# Altium PCB BMS.Pcb.PcbDoc (part 1 of 3)
Units mm, origin at the board's own origin, x right, y up, seen from the top; angles counter-clockwise.
Board outline 101.6 x 152.65 mm, 2 copper layers (Top Layer, Bottom Layer); 294 components, 149 nets, 690 pads, 917 vias.
Unrouted connection lines stored in the file: 52.
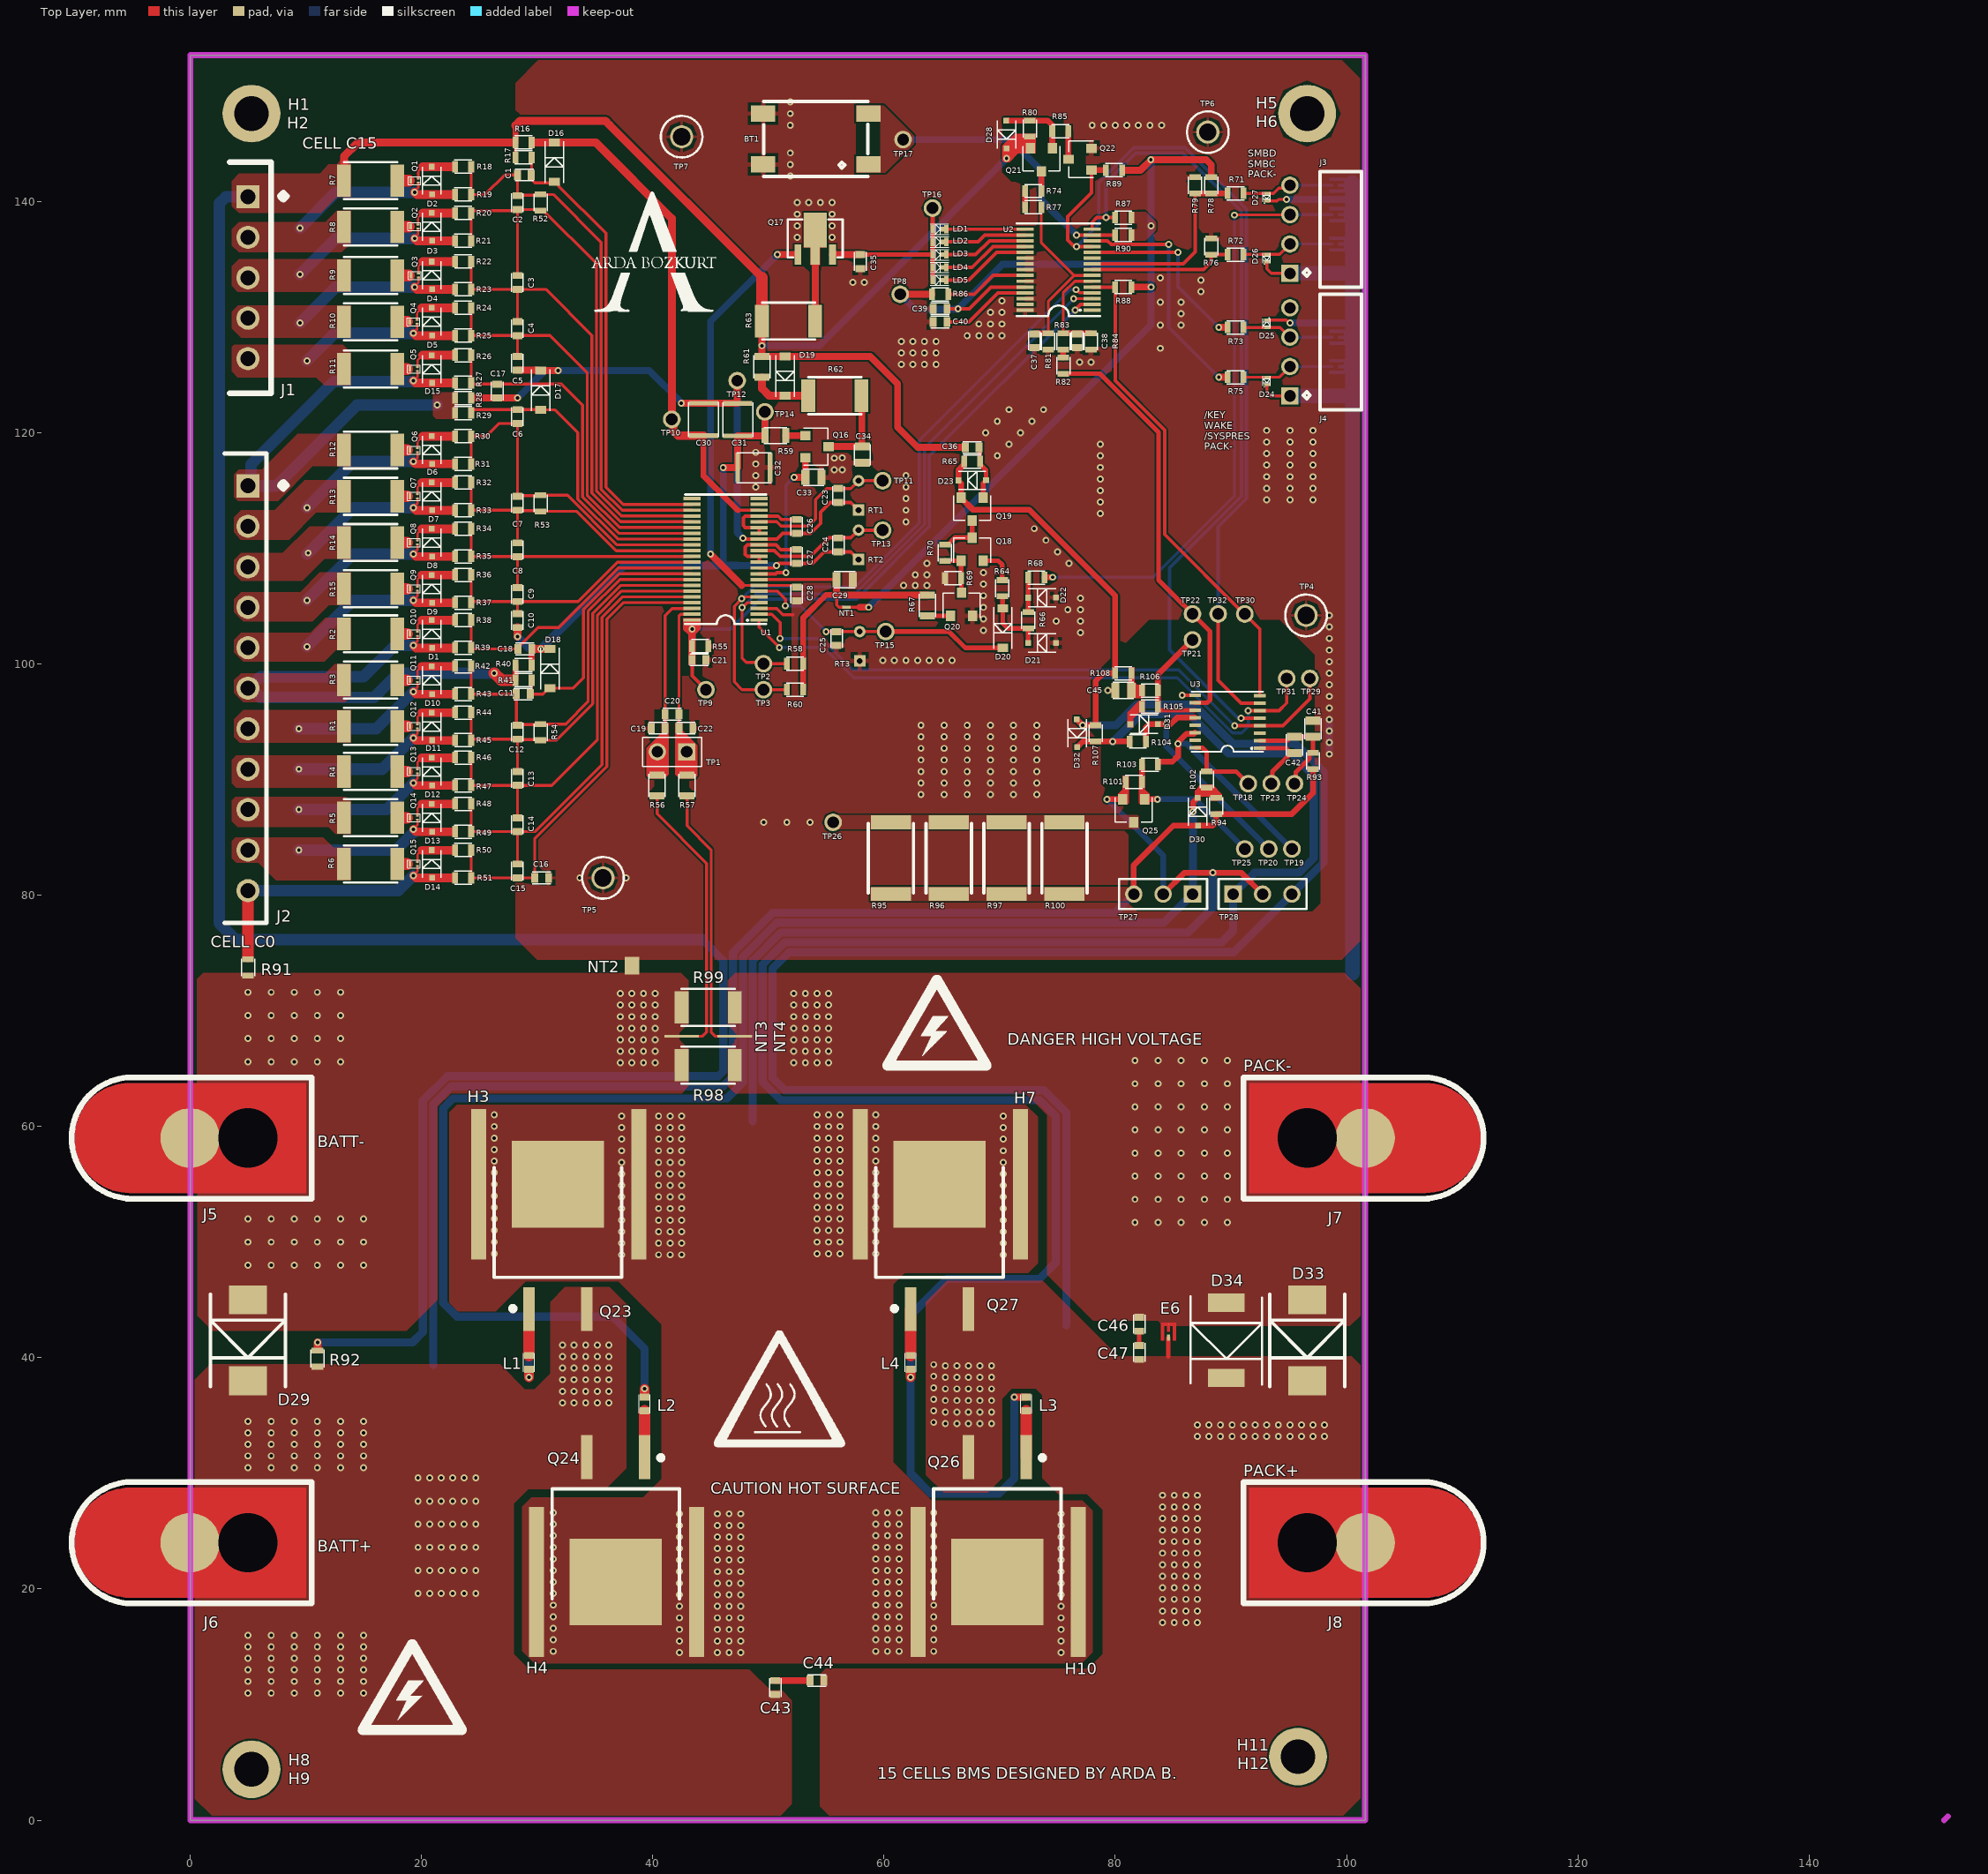
[diagram p0: Top Layer view]
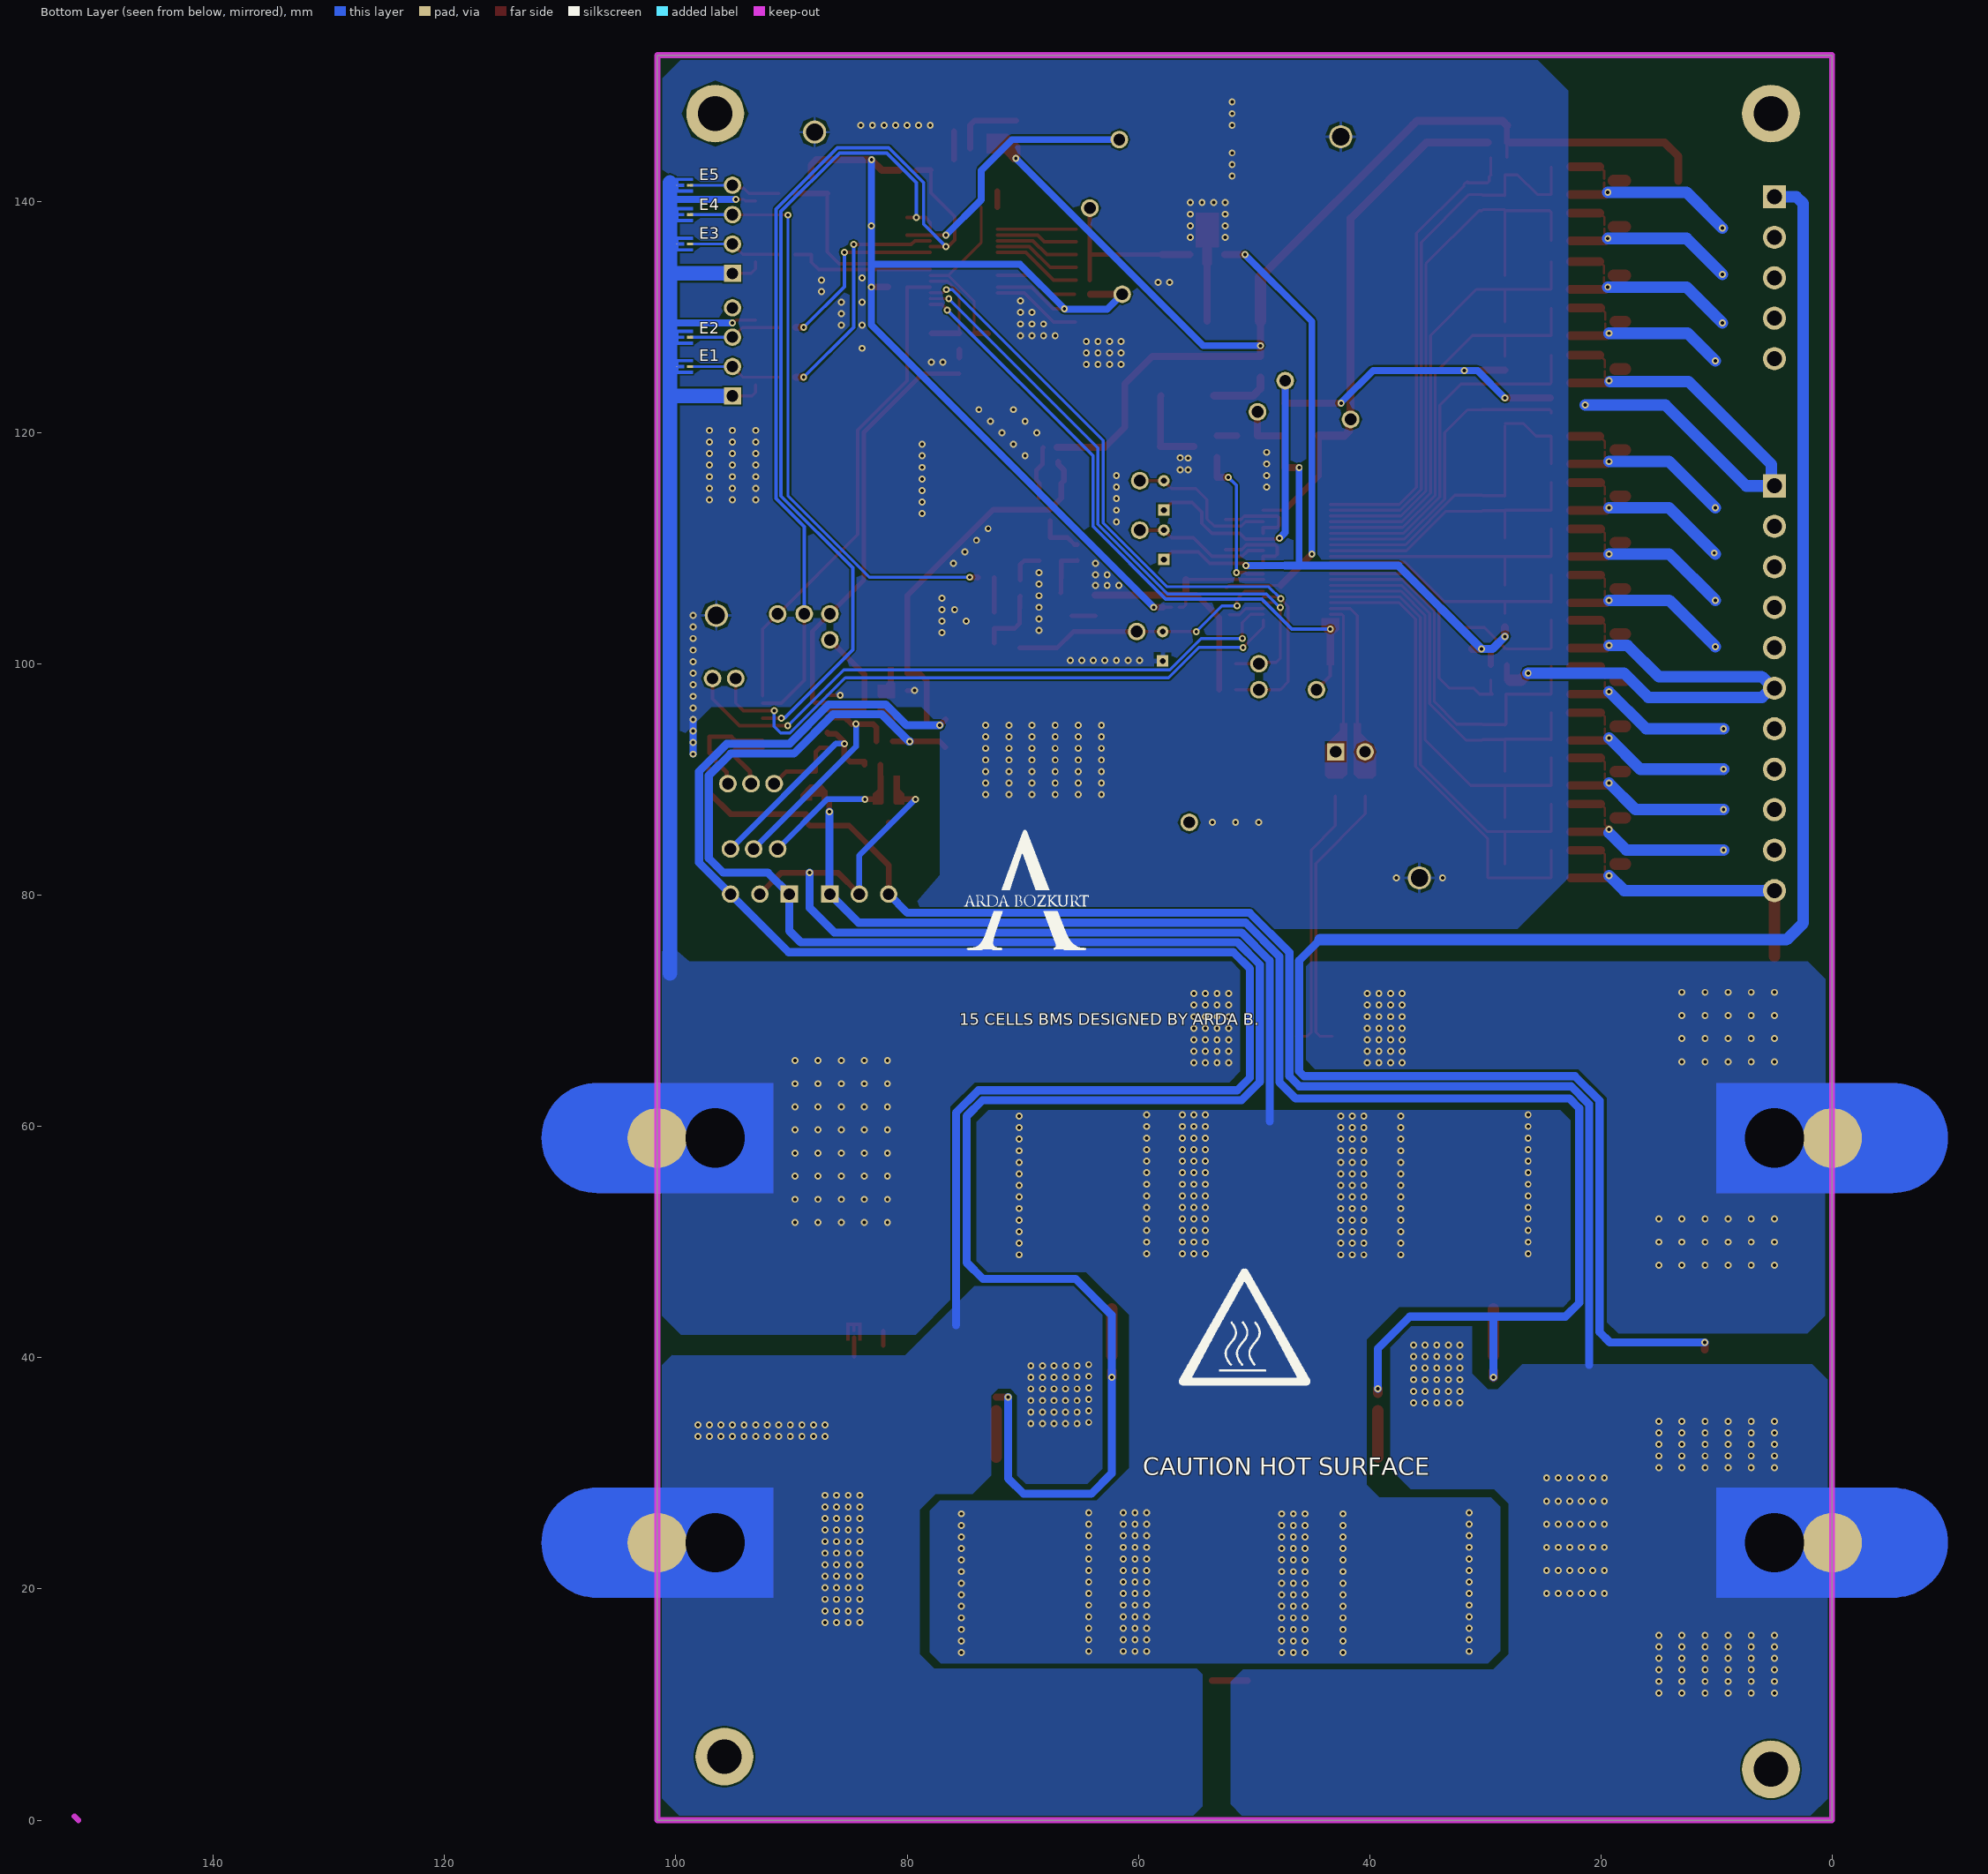
[diagram p1: Bottom Layer view, seen from below]
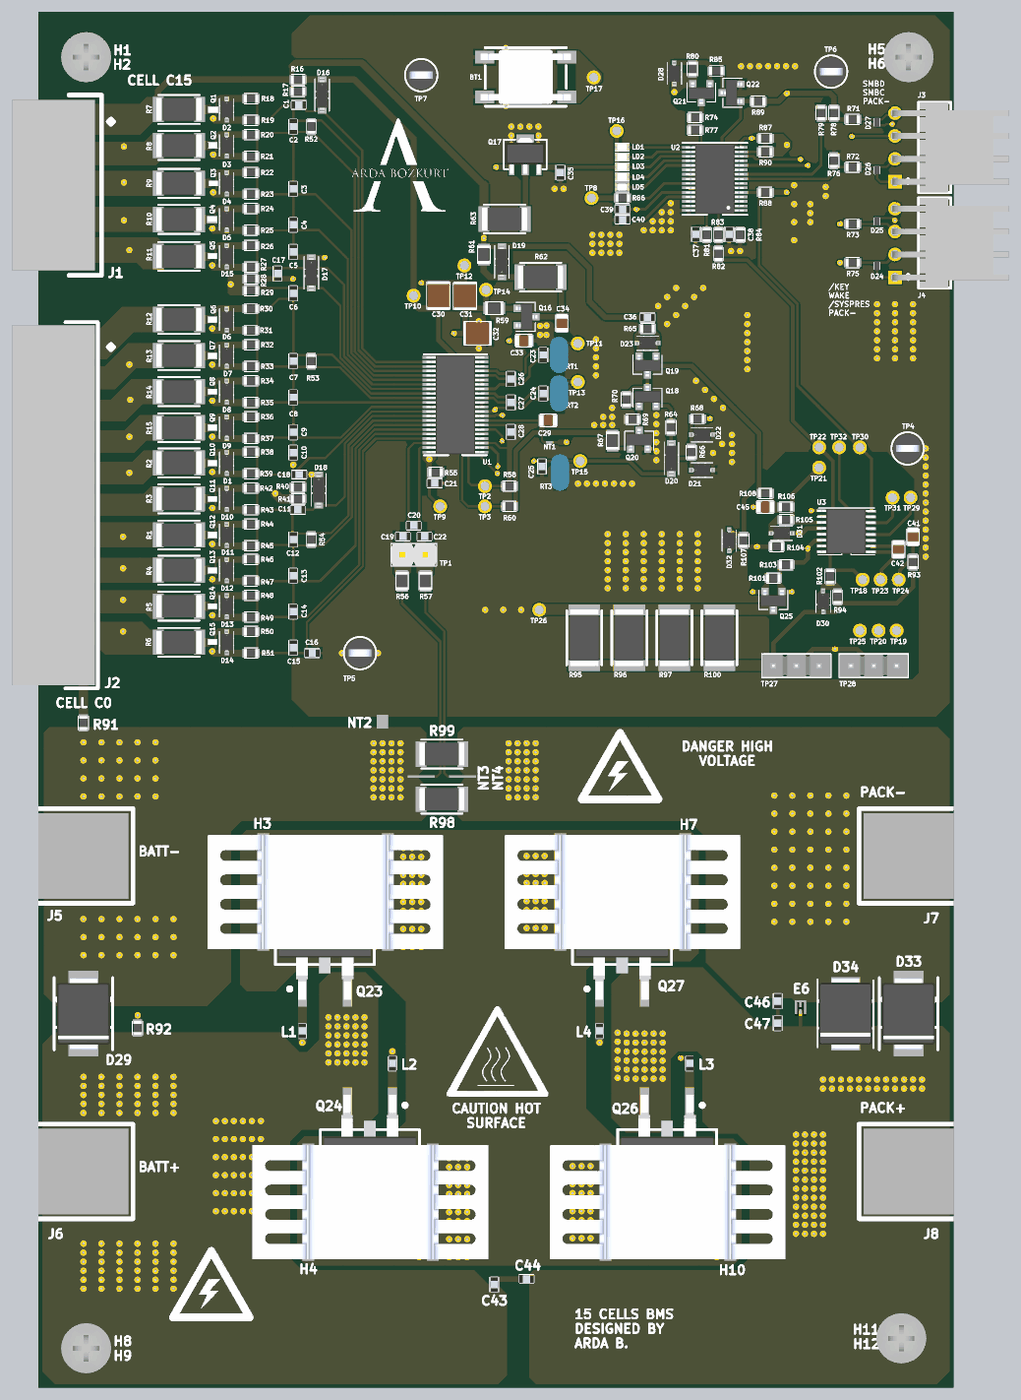
[diagram p4: 3D render of the assembled board from above, using the file's embedded part models]

## Layer stack, top to bottom
Top Solder: solder mask 0.0102, Solder Resist, Dk 3.5
Top Layer: signal copper 0.0356
Dielectric 1: dielectric 0.32, FR-4, Dk 4.8
Bottom Layer: signal copper 0.0356
Bottom Solder: solder mask 0.0102, Solder Resist, Dk 3.5

## Board outline
0,0 101.6,0 101.6,152.654 0,152.654

## Design rules (kind name [scope] priority, off if disabled: settings)
Clearance "Conn Lug" [HasFootprint('CONN_LUG')] p1: gap=0 ignorepadtopadclearanceinfootprint=FALSE
Clearance [All] p2: gap=0.15 ignorepadtopadclearanceinfootprint=FALSE except(0: Arc-Hole Track-Hole SMDPad-Hole THPad-Hole Via-Hole Fill-Hole Poly-Hole Region-Hole Text-Hole)
Clearance Poly [InPolygon] p3: gap=0.5 ignorepadtopadclearanceinfootprint=FALSE except(0: Arc-Hole Track-Hole SMDPad-Hole THPad-Hole Via-Hole Fill-Hole Poly-Hole Region-Hole Text-Hole)
Clearance KeepOuts [((IsTrack or IsArc) and not InPolygon) and IsFree and IsKeepOut vs ((IsTrack or IsArc) and not InPolygon) and IsFree and IsKeepOut] p4: gap=0 ignorepadtopadclearanceinfootprint=FALSE
Clearance PICOSTAR [HasFootprint('Q_3PICOSTAR')] p5: gap=0.01 ignorepadtopadclearanceinfootprint=FALSE except(0: Arc-Hole Track-Hole SMDPad-Hole THPad-Hole Via-Hole Fill-Hole Poly-Hole Region-Hole Text-Hole)
ComponentClearance [All] p1: gap=0.254 collisioncheckmode=3 verticalgap=0 showdistances=FALSE
Height [All] p1: minheight=0 maxheight=50 prefheight=12.7
HoleSize 2.54> [HasFootprint ('J5,J6,J7,J8') and HasFootprint ('H2,H6,H9,H11')] p1: absolutevalues=TRUE maxlimit=50 minlimit=0.025 maxpercent=80.000 minpercent=20.000
HoleSize [All] p2: absolutevalues=TRUE maxlimit=2.54 minlimit=0.025 maxpercent=80.000 minpercent=20.000
MinimumSolderMaskSliver [All] p1: minsoldermaskwidth=0
PlaneConnect [All] p1: planeconnectstyle=Direct reliefexpansion=0.254 reliefentries=4 reliefconductorwidth=0.254 reliefairgap=0.508
PolygonConnect [All] p1: connectstyle=Direct reliefconductorwidth=0.254 reliefentries=4 polygonreliefangle="90 Angle" airgapwidth=0.254
RoutingVias [All] p1: holewidth=0.305 width=0.865 viastyle="Through Hole" minholewidth=0.2 minwidth=0.6 maxholewidth=1.016 maxwidth=1.65
RoutingVias "Thermal Pad Vias" [IsVia and InAnyComponent] p2: holewidth=0.2 width=0.5 viastyle="Through Hole" minholewidth=0.2 minwidth=0.5 maxholewidth=0.3 maxwidth=0.6
ShortCircuit [All] p1: allowed=TRUE
SilkToSolderMaskClearance [IsPad] p1: minsilkscreentomaskgap=0 clearancetoexposedcopper=TRUE
SolderMaskExpansion [All] p1: expansion=0.05 istentingtop=FALSE
Width 70V [(InNet('VDDCP') OR InNet('CHG') OR InNet('DSG') OR InNet('CD') OR InNet('PCHG') OR InNet('PDRAIN') OR InNet('CGATE') OR InNet('PGATE') OR InNet('DGATE') OR InNet('PACK') OR InNet('PACKDIV') OR InNet('PACK+'))] p1: maxlimit=1.27 minlimit=0.381 preferedwidth=0.762
Width [All] p2: maxlimit=1.27 minlimit=0.2 preferedwidth=0.254 minimp=50.000000 maximp=50.000000 favimp=50.000000
23 further rules are at their usual default settings.

## Classes and differential pairs
component class GUAGE: BT1 C37 C38 C39 C40 D24 D25 D26 D27 D28 E1 E2 E3 E4 E5 J3 J4 LD1 LD2 LD3 LD4 LD5 Q21 Q22 R71 R72 R73 R74 R75 R76 R77 R78 R79 R80 R81 R82 R83 R84 R85 R86 R87 R88 R89 R90 TP16 TP17 U2
component class FET: C41 C42 C43 C44 C45 C46 C47 D29 D30 D31 D32 D33 D34 E6 H1 H2 H3 H4 H5 H6 H7 H8 H9 H10 H11 H12 J5 J6 J7 J8 L1 L2 L3 L4 NT2 NT3 NT4 Q23 Q24 Q25 Q26 Q27 R91 R92 R93 R94 R95 R96 R97 R98 R99 R100 R101 R102 R103 R104 R105 R106 R107 R108 TP18 TP19 TP20 TP21 TP22 TP23 TP24 TP25 TP26 TP27 TP28 TP29 TP30 TP31 TP32 U3
component class AFE: C1 C2 C3 C4 C5 C6 C7 C8 C9 C10 C11 C12 C13 C14 C15 C16 C17 C18 C19 C20 C21 C22 C23 C24 C25 C26 C27 C28 C29 C30 C31 C32 C33 C34 C35 C36 D1 D2 D3 D4 D5 D6 D7 D8 D9 D10 D11 D12 D13 D14 D15 D16 D17 D18 D19 D20 D21 D22 D23 J1 J2 NT1 Q1 Q2 Q3 Q4 Q5 Q6 Q7 Q8 Q9 Q10 Q11 Q12 Q13 Q14 Q15 Q16 Q17 Q18 Q19 Q20 R1 R2 R3 R4 R5 R6 R7 R8 R9 R10 R11 R12 R13 R14 R15 R16 R17 R18 R19 R20 R21 R22 R23 R24 R25 R26 R27 R28 R29 R30 R31 R32 R33 R34 R35 R36 R37 R38 R39 R40 R41 R42 R43 R44 R45 R46 R47 R48 R49 R50 R51 R52 R53 R54 R55 R56 R57 R58 R59 R60 R61 R62 R63 R64 R65 R66 R67 R68 R69 R70 RT1 RT2 RT3 TP1 TP2 TP3 TP4 TP5 TP6 TP7 TP8 TP9 TP10 TP11 TP12 TP13 TP14 TP15 U1

## Components (designator, comment, footprint, x,y, rotation, side; value= is the part's Value field where it differs from the comment)
BT1 "1977223-6" BUTTOM 54.1,145.4 r180 top
C1 "885012206048" C_0603 28.9,142.3 r0 top value=0.22uF
C2 "885012206048" C_0603 28.3,139.9 r90 top value=0.22uF
C3 "885012206048" C_0603 28.3,133 r90 top value=0.22uF
C4 "885012206048" C_0603 28.3,129 r90 top value=0.22uF
C5 "885012206048" C_0603 28.3,126 r90 top value=0.22uF
C6 "885012206048" C_0603 28.3,121.4 r90 top value=0.22uF
C7 "885012206048" C_0603 28.3,113.9 r90 top value=0.22uF
C8 "885012206048" C_0603 28.3,109.875 r90 top value=0.22uF
C9 "885012206048" C_0603 28.3,106 r90 top value=0.22uF
C10 "885012206048" C_0603 28.3,103.75 r90 top value=0.22uF
C11 "885012206048" C_0603 28.8,97.4 r0 top value=0.22uF
C12 "885012206048" C_0603 28.3,94.1 r90 top value=0.22uF
C13 "885012206048" C_0603 28.3,90.1 r90 top value=0.22uF
C14 "885012206048" C_0603 28.3,86.1 r90 top value=0.22uF
C15 "885012206048" C_0603 28.3,82.1 r90 top value=0.22uF
C16 "885012206048" C_0603 30.4,81.5 r180 top value=0.22uF
C17 "885012206048" C_0603 26.55,123.6 r90 top value=0.22uF
C18 "885012206048" C_0603 28.95,101.3 r180 top value=0.22uF
C19 "C1608X7R1H104K080AA" C_0603 40.47,94.45 r0 top value=0.1uF
C20 "C1608X7R1H104K080AA" C_0603 41.67,95.65 r0 top value=0.1uF
C21 "885012206081" C_0603 44,100.35 r180 top value=470pF
C22 "C1608X7R1H104K080AA" C_0603 42.87,94.45 r0 top value=0.1uF
C23 "885012206087" C_0603 56.05,114.575 r270 top value=4700pF
C24 "885012206087" C_0603 56.05,110.3 r270 top value=4700pF
C25 "885012206087" C_0603 55.9,102.2 r90 top value=4700pF
C26 "885012206052" C_0603 52.45,111.9 r270 top value=1uF
C27 "885012206052" C_0603 52.45,109.3 r270 top value=1uF
C28 "885012206052" C_0603 52.45,106.046 r90 top value=1uF
C29 "885012207025" C_0805 56.6,107.3 r180 top value=4.7uF
C30 "GRM32ER7YA106KA12L" C_1210 44.4,121.15 r270 top value=10uF
C31 "GRM32ER7YA106KA12L" C_1210 47.35,121.125 r90 top value=10uF
C32 "GRM32ER7YA106KA12L" C_1210 48.75,116.975 r180 top value=10uF
C33 "GRM21BR71H105KA12L" C_0805 53.9,116.15 r180 top value=1uF
C34 "GRM21BR71H105KA12L" C_0805 58.125,118.1 r90 top value=1uF
C35 "885012206048" C_0603 57.95,134.8 r90 top value=0.22uF
C36 "885012206081" C_0603 67.625,118.725 r0 top value=470pF
C37 "GRM188R71E332KA01D" C_0603 73,127.95 r90 top value=3300pF
C38 "GRM188R71E332KA01D" C_0603 76.7,127.95 r90 top value=3300pF
C39 "C1608X7R1H104K080AA" C_0603 64.85,130.725 r0 top value=0.1uF
C40 "C1608X7R1H104K080AA" C_0603 64.85,129.575 r0 top value=0.1uF
C41 "KGM21NR72A103KT" C_0805 97.1,94.4 r270 top value=0.01uF
C42 "GRM21BR71E155KA88L" C_0805 95.5,93 r270 top value=1.5uF
C43 "GRM188R72A104KA35D" C_0603 50.6,11.475 r270 top value=0.1uF
C44 "GRM188R72A104KA35D" C_0603 54.2,12.075 r180 top value=0.1uF
C45 "KGM21NR72A103KT" C_0805 80.7,97.7 r0 top value=0.01uF
C46 "GRM188R72A104KA35D" C_0603 82.075,42.9 r90 top value=0.1uF
C47 "GRM188R72A104KA35D" C_0603 82.075,40.45 r90 top value=0.1uF
D1 "MMSZ5232BS-7-F" D_SOD323 20.9,102.6 r270 top value=5.6V
D2 "MMSZ5232BS-7-F" D_SOD323 20.9,141.8 r270 top value=5.6V
D3 "MMSZ5232BS-7-F" D_SOD323 20.9,137.8 r270 top value=5.6V
D4 "MMSZ5232BS-7-F" D_SOD323 20.9,133.6 r270 top value=5.6V
D5 "MMSZ5232BS-7-F" D_SOD323 20.9,129.595 r270 top value=5.6V
D6 "MMSZ5232BS-7-F" D_SOD323 20.9,118.5 r270 top value=5.6V
D7 "MMSZ5232BS-7-F" D_SOD323 20.9,114.5 r270 top value=5.6V
D8 "MMSZ5232BS-7-F" D_SOD323 20.9,110.5 r270 top value=5.6V
D9 "MMSZ5232BS-7-F" D_SOD323 20.9,106.5 r270 top value=5.6V
D10 "MMSZ5232BS-7-F" D_SOD323 20.9,98.6 r270 top value=5.6V
D11 "MMSZ5232BS-7-F" D_SOD323 20.9,94.6 r270 top value=5.6V
D12 "MMSZ5232BS-7-F" D_SOD323 20.9,90.7 r270 top value=5.6V
D13 "MMSZ5232BS-7-F" D_SOD323 20.9,86.7 r270 top value=5.6V
D14 "MMSZ5232BS-7-F" D_SOD323 20.9,82.7 r270 top value=5.6V
D15 "MMSZ5232BS-7-F" D_SOD323 20.9,125.505 r270 top value=5.6V
D16 "1N4148W-7-F" D_SOD123 31.5,143.4 r270 top value=100V
D17 "1N4148W-7-F" D_SOD123 30.3,123.675 r270 top value=100V
D18 "1N4148W-7-F" D_SOD123 31.125,99.6 r270 top value=100V
D19 "1N4148W-7-F" D_SOD123 51.45,124.9 r90 top value=100V
D20 "1N4148W-7-F" D_SOD123 70.275,103.1 r90 top value=100V
D21 "MMSZ5228BS-7-F" D_SOD323 73.675,101.8 r0 top value=3.9V
D22 "MMSZ5228BS-7-F" D_SOD323 73.675,105.725 r0 top value=3.9V
D23 "MMSZ5248BS-7-F" D_SOD323 67.625,115.875 r0 top value=18V
D24 "TPD1E10B06DPYT" ESD_X1SON 93.1,124.475 r90 top value=12pF
D25 "TPD1E10B06DPYT" ESD_X1SON 93.1,129.425 r270 top value=12pF
D26 "TPD1E10B06DPYT" ESD_X1SON 93.1,135.1 r90 top value=12pF